# Altium PCB RPI_HAT_AMP_TAS5756_02.PcbDoc (continued)
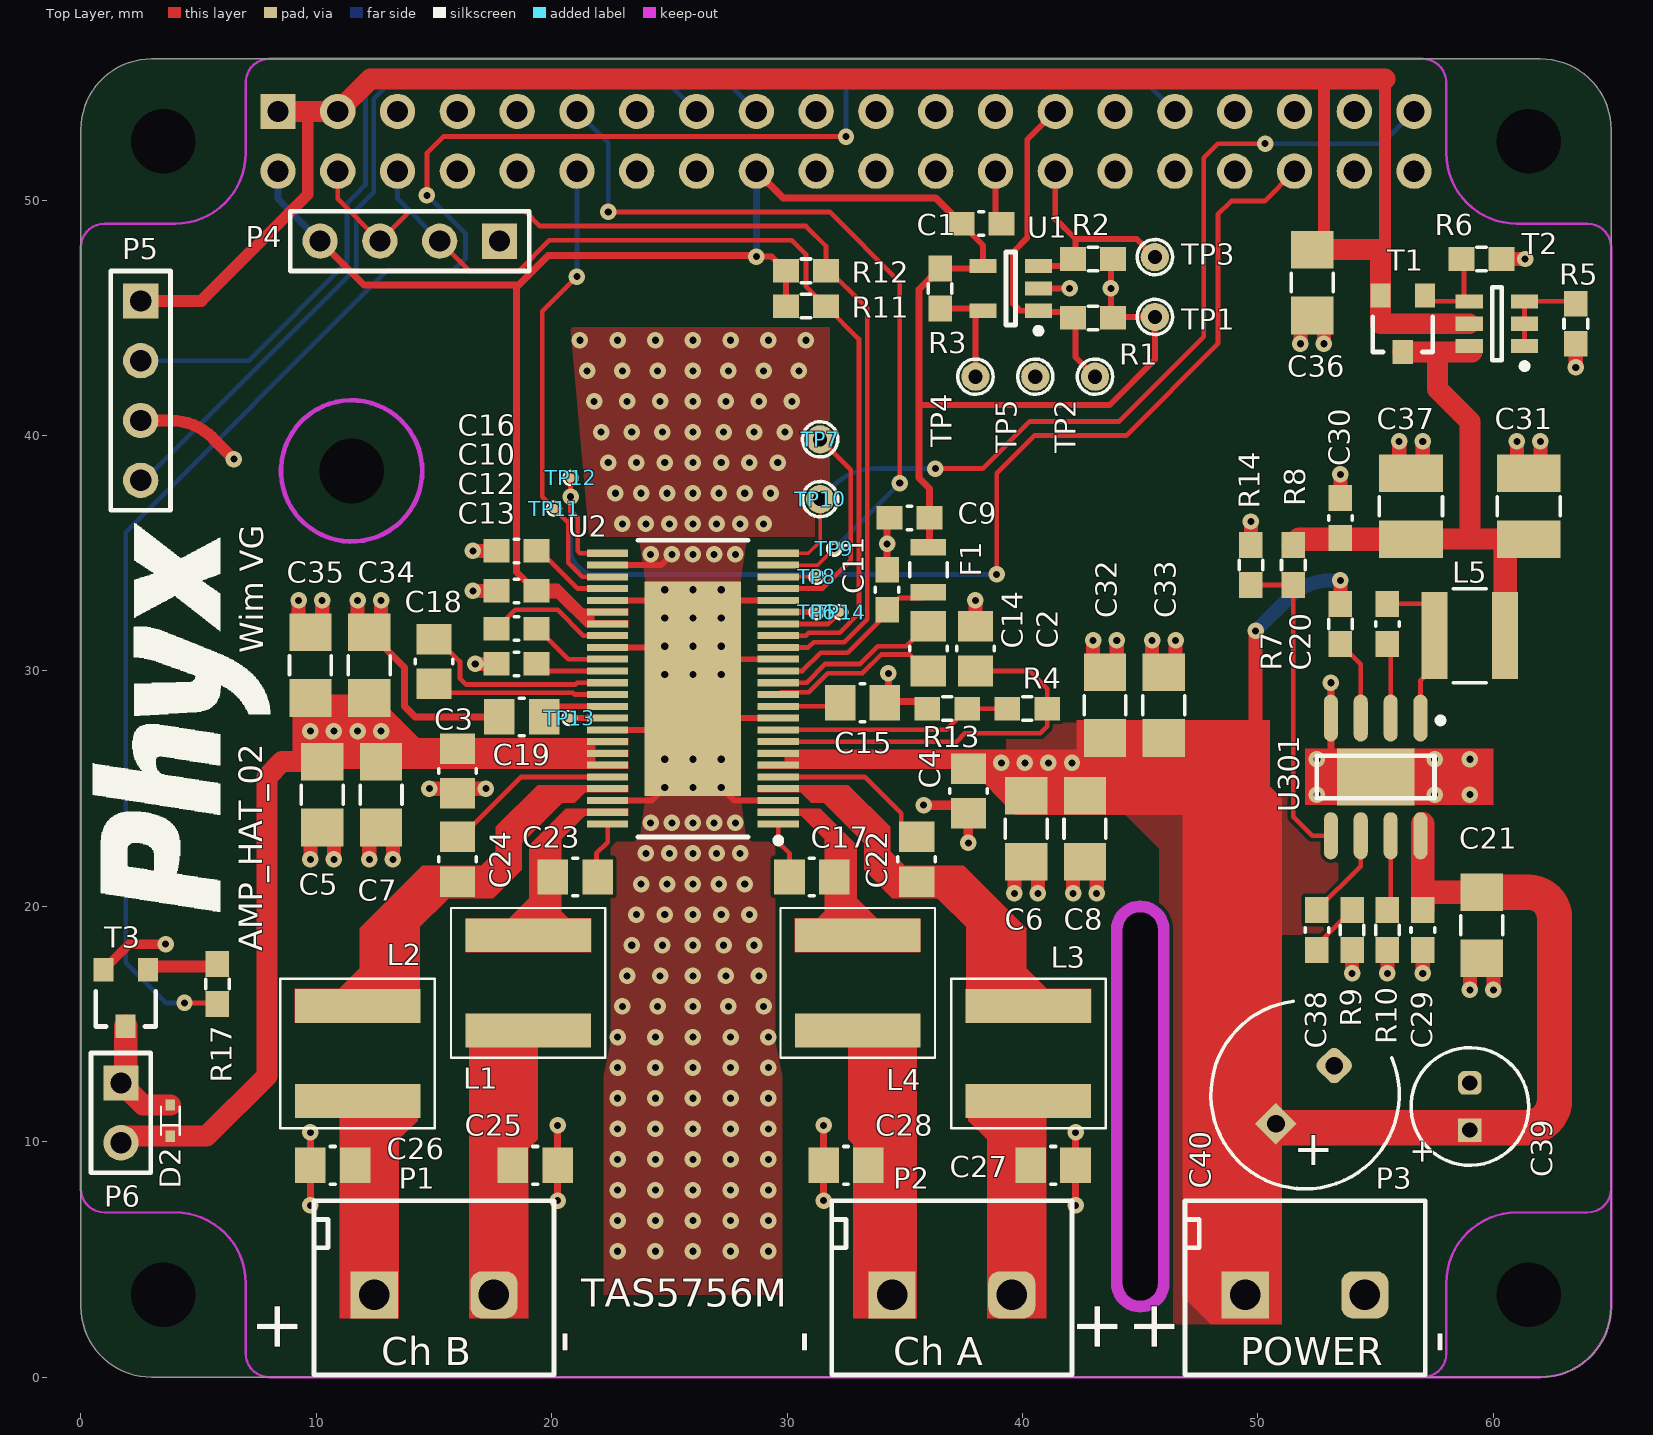
[diagram p0: Top Layer view]
## Footprints (in the part's own frame and the unit in brackets; to place one, negate y for a bottom-side part, rotate by r counter-clockwise, add the part's x,y. Pads: shape width x height; smd on the part's side, far side on the other; paste and mask are expansions set on the pad) (continued)
  silkscreen extent -1.3,-1.55 0.2,1.92, body extent -1.5,-1.55 1.5,1.55, height 1.4
TERM_BLK-0508-2-90 [mm] "5.08 mm pitch Terminal Block 2 way"
  rect 2x2 hole 1.3: 1(-2.54,0)
  rrect50% 2x2 hole 1.3: 2(2.54,0)
  silkscreen extent -5.1,-3.4 5.1,4, body extent -5.68,-3.4 5.68,4.1, height 9.95
TI-DCA-R-PDSO-G48 [mm] "HTSSOP, 48-Leads, Body 12,6x6,2mm (max), Pitch 0,50mm, IPC Medium Density, Thermal pad"
  rect 1.75x0.3 smd mask+0: 1(-3.625,5.75) 2(-3.625,5.25) 3(-3.625,4.75) 4(-3.625,4.25) 5(-3.625,3.75) 6(-3.625,3.25) 7(-3.625,2.75) 8(-3.625,2.25) 9(-3.625,1.75) 10(-3.625,1.25) 11(-3.625,0.75) 12(-3.625,0.25) 13(-3.625,-0.25) 14(-3.625,-0.75) 15(-3.625,-1.25) 16(-3.625,-1.75) 17(-3.625,-2.25) 18(-3.625,-2.75) 19(-3.625,-3.25) 20(-3.625,-3.75) 21(-3.625,-4.25) 22(-3.625,-4.75) 23(-3.625,-5.25) 24(-3.625,-5.75) 25(3.625,-5.75) 26(3.625,-5.25) 27(3.625,-4.75) 28(3.625,-4.25) 29(3.625,-3.75) 30(3.625,-3.25) 31(3.625,-2.75) 32(3.625,-2.25) 33(3.625,-1.75) 34(3.625,-1.25) 35(3.625,-0.75) 36(3.625,-0.25) 37(3.625,0.25) 38(3.625,0.75) 39(3.625,1.25) 40(3.625,1.75) 41(3.625,2.25) 42(3.625,2.75) 43(3.625,3.25) 44(3.625,3.75) 45(3.625,4.25) 46(3.625,4.75) 47(3.625,5.25) 48(3.625,5.75)
  rect 4.1x9.1 smd: 49(0,0)
  silkscreen extent -3.75,-6.3 2.35,6.57, body extent -4.05,-6.25 4.05,6.25, height 1.1
TP_0.4MM [mm] "0.4mm pad"
  round 0.4 smd mask+0.05: 1(0,0)
  silkscreen extent -0.3,-0.3 0.3,0.3
TP_0.4mm [mm] "0.4mm pad"
  round 0.4 smd mask+0.05: 1(0,0)
  silkscreen extent -0.3,-0.3 0.3,0.3
TP_1.2mm_0.6mm [mm] "1.2mm pad, 0.6mm hole"
  round 1.2 hole 0.6 mask+0.05: 1(0,0)
  silkscreen extent -0.75,-0.75 0.75,0.75
XAL6060-472 [mm] "Coilcraft XAL6060-472"
  rect 1.43x5.33 smd: 1(-2.02,0) 2(2.02,0)
  silkscreen extent -3.18,-3.28 3.18,3.28, body extent -3.28,-3.38 3.28,3.38, height 6.1

## Part data
C1: library part "CAP # 100nF 16V 0603", "Capacitor Ceramic"
C2: library part "CAP # 1uF 25V 0805", "Capacitor Ceramic", Supplier Part Number 1=2395779, Supplier 1=Farnell
C3 C4: library part "CAP # 100nF 50V 0805", "Capacitor Ceramic", Supplier Part Number 1=1759265, Supplier 1=Farnell
C5 C6 C7 C8 C32 C33 C34 C35 C36: library part "CAP # 22uF 35V 1206 X5R", "Capacitor Ceramic", Supplier Part Number 1=445-8045-1-ND, Supplier 1=Digikey
C9 C10 C11 C12 C13 C16: library part "CAP # 1uF 16V 0603", "Capacitor Ceramic", Supplier Part Number 1=2320814, Supplier 1=Farnell
C14 C15 C18 C19: library part "CAP # 2u2F 25V 0805", "Capacitor Ceramic", Supplier Part Number 1=2320829, Supplier 1=Farnell
C17 C22 C23 C24: library part "CAP # 220nF 50V 0805", "Capacitor Ceramic", Supplier Part Number 1=2320842, Supplier 1=Farnell
C20 C29 C30: library part "CAP # 100nF 50V 0603", "Capacitor Ceramic", Supplier Part Number 1=1759122, Supplier 1=Farnell
C21: library part "CAP # 10uF 35V 1206 X5R", "Capacitor Ceramic", Supplier Part Number 1=1797011, Supplier 1=Farnell
C25 C26 C27 C28: library part "CAP # 680nF 50V 0805", "Capacitor Ceramic", Supplier Part Number 1=2210987, Supplier 1=Farnell
C31 C37: library part "CAP # 22uF 10V 1210 X5R", "Capacitor Ceramic"
C38: library part "CAP # 2n7F 25V 0603", "Capacitor Ceramic"
C39: library part "CAP 10uF 63V 5x11mm", "Capacitor electrolyt", Supplier Part Number 1=2079130, Supplier 1=Farnell
C40: library part "CAP 100uF 50V 8x11mm", "Capacitor electrolyt", Supplier Part Number 1=9693793, Supplier 1=Farnell
D2: library part "Schottky NSR0240V2T1G", "=Description", Supplier Part Number 1=2317403, Supplier 1=Farnell
F1: library part "FER # 120R 0.8A 0805 0R12", Supplier Part Number 1=1669728, Supplier 1=Farnell
L1 L2 L3 L4: library part "IND # 4u7H 11A", Supplier Part Number 1=2289085, Supplier 1=Farnell
L5: library part "IND # 6u8H SWPA4020", Supplier 1=China, Supplier Part Number 1=SWPA4020S6R8MT
P1 P2 P3: library part "Terminal Block 5,08mm 2way", Supplier 1=Farnell
P4 P5: library part "Pin Header 2.54mm 4way"
P6: library part "Pin Header 2.54mm 2way"
Pi: library part "Receptable 2.54mm dual row 40way", "=Description"
R1 R2 R11 R12: library part "RES # 3K9 0603"
R3: library part "RES # 1K 0603"
R4: library part "RES # 150K 0603"
R5: library part "RES # 10K 0603"
R6: library part "RES # 47K 0603"
R7: library part "RES # 100K 0603"
R8: library part "RES # 62K 0603"
R9: library part "RES # 24K 0603"
R10: library part "RES # 180K 0603"
R13: library part "RES # 680K 0603"
R14: library part "RES # 11K8 0603"
R17: library part "RES # 0R 0603"
T1: library part "TSM2311CX P-Ch MOSFET 4A", "=Description", Supplier Part Number 1=1864586, Supplier 1=Farnell
T2: library part "DMMT5401-7-F matched PNP", Supplier Part Number 1=1773583, Supplier 1=Farnell
T3: library part "ZXMN2B01F N-Ch MOSFET 2.4A 4.5Vgs 30Vds", Supplier Part Number 1=1426253, Supplier 1=Farnell
TP1 TP2 TP3 TP4 TP5 TP7 TP10: library part "TP 1.2mm"
TP6 TP8 TP9 TP11 TP12 TP13 TP14: library part "TP # 0.4mm"
U1: library part "EEPROM # I2C 8Kx8b 24LC64T-I/OT", "=Description", Supplier Part Number 1=1700992, Supplier 1=Farnell
U2: library part "AMP # AUD TAS5756M", "=Description"
U301: library part "PWR # Buck RT7272A SOP8", "=Description", Supplier Part Number 1=RT7272AGSP, Supplier 1=China

## Free pads (board coordinates)
  round 1.3 hole 2.75 unplated mask+2.45: 0(3.5,3.5) 0(3.5,52.5) 0(11.5,38.5) 0(61.5,3.5) 0(61.5,52.5)
  oval 2x17 hole 2 slot 17 at 90 deg unplated: 1(45,11.5)

## Via types
v1: diameter 0.7, hole 0.3, Top Layer to Bottom Layer, tented top, 227 vias
v2: diameter 0.7, hole 0.3, Top Layer to Bottom Layer, tented both sides, 2 vias

## Nets (pads, with @x,y where several pads share a name; then routed paths per layer and width w, separated by ;. In a path a pad name is that pad's centre, name@x,y a point inside that pad or via, vN(x,y) a via of type N, cw(c..) or ccw(c..) an arc to the next point about the centre after c; other vN are vias at no path point)
3V3: C1.1 C9.1 C10.1 F1.1 P4.4 Pi.2 Pi.18 R1.1 R2.1 R3.1 R11.1 R12.1 TP1.1 U1.4 U2.30 U2.31 | length 86.9
  Top Layer w0.25: v1(28.69,47.6) 29.35,47.6 R12.1 R11.1 ; 35.6,41.3 43.7,41.3 45.62,43.22 TP1.1 43.89,45.04 R1.1 ; R3.1@36.5,47 36.6,47.1 38.225,47.1 U1.4 38.325,48.075 C1.1@37.5,48.9 ; R1.1@43.75,45 v2(43.75,46.25) R2.1@43.75,47.5
  Top Layer w0.3: P4.4 12.02,46.4 18.6,46.4 ; C10.1@19.75,33.4 19.3,33.4 18.5,34.2 18.5,35.724 18.5,46.3 18.6,46.4 ; v1(28.69,47.6) 28.64,47.65 19.85,47.65 18.6,46.4 ; Pi.18 29.82,50.1 36.3,50.1 C1.1@37.5,48.9 ; F1.1@36.05,35.25 36.05,37.75 35.6,38.2 35.6,41.3 35.6,46.2 R3.1@36.4,47
  Bottom Layer w0.3: Pi.2 8.37,50.05 P4.4 ; v1(28.69,47.6) Pi.18
3V3A: C11.1 F1.2 U2.14 | length 7.9
  Top Layer w0.2: U2.14 30.65,30 31.425,30.775 32.575,30.775 34.25,32.45 C11.1 34.75,33.1 35.75,33.1 F1.2
5V: C30.1 C31.1 C37.1 L5.2 R8.1 T1.3 T2.6 | length 26.7
  Top Layer w0.5: C31.1@60.5,35.6 C31.1
  Top Layer w0.89: T1.3 57.625,43.55 ; C37.1 59,35.6 ; T2.6@59.1,43.55 57.625,43.55 ; C31.1 59,35.6 ; 57.625,43.55 57.625,41.975 59,40.6 59,35.6
  Top Layer w1: R8.1 51.75,35.6 C37.1 ; L5.2 C31.1@60.5,35.6
5V_PI: C36.1 P5.1 Pi.1 Pi.3 T1.2 T2.5 | length 84.4
  Top Layer w0.5: P5.1 5.12,45.72 9.64,50.24 9.64,53.77 ; C36.1@52.8,47.9 52.8,55.04 ; 55.2,47.8 55.4,48 55.4,55.055
  Top Layer w0.89: Pi.1 9.64,53.77 Pi.3 12.295,55.155 55.4,55.155 ; C36.1 55.2,47.9 55.2,44.75 T2.5
AMP_DOUT: TP7.1 U2.21 | length 9.3
  Top Layer w0.2: U2.21 31.5,33.5 32.7,34.7 32.7,38.54 TP7.1
AMP_GPIO0: TP14.1 U2.18 | length 2.8
  Top Layer w0.2: U2.18 31.75,32 TP14.1
AMP_GPIO1: TP6.1 U2.19 | length 1.6
  Top Layer w0.25: U2.19 TP6.1
GND: C1.2 C2.2 C3.2 C4.2 C5.2 C6.2 C7.2 C8.2 C9.2 C10.2 C11.2 C13.2 C15.1 C16.2 C19.1 C21.2 C25.1 C26.1 C27.1 C28.1 C29.2 C30.2 C31.2 C32.2 C33.2 C34.2 C35.2 C36.2 C37.2 C39.2 C40.2 P3.2 P4.1 P5.3 Pi.5 Pi.10 Pi.13 Pi.19 Pi.26 Pi.29 Pi.33 Pi.40 R5.2 R6.2 R9.2 R10.2 R13.1 R14.2 T3.2 TP5.1 U1.2 U2.3 U2.10 U2.15 U2.20 U2.26 U2.29 U2.33 U2.40 U2.46 U2.49 U301.4 U301.9 | length 102.7
  Top Layer w0.25: U2.46 24.25,24.5 v1(24.8,25.05) ; U2.40 24.75,27.5 U2.49@24.8,27.45 ; U2.33 24.75,31 v1(24.8,31.05) ; U2.29 24.35,33 v1(24.8,33.45) ; U2.26 24.65,34.5 v1(25.1,34.95) ; v1(27.2,25.05) 27.75,24.5 U2.3 ; U2.49@27.2,27.45 27.75,28 U2.10 ; v1(27.2,29.85) 27.85,30.5 U2.15 ; v1(27.2,33.45) 27.65,33 U2.20 ; U1.2 v2(42,46.25)
  Top Layer w0.254: Pi.26 38.85,49.15 C1.2@39,49
  Top Layer w0.3: v1(9.75,7.3) C26.1 v1(9.75,10.4) ; C34.2 13.75,30.15 13.75,28.5 14.2,28.05 C19.1 ; v1(20.25,7.5) C25.1 v1(20.25,10.7) ; v1(31.55,7.5) C28.1 v1(31.55,10.7) ; C11.2 v1(34.25,35.4) 34.25,36.4 C9.2 ; v1(34.3,29.9) 34.3,28.8 34.2,28.7 35.65,28.7 R13.1 ; v1(42.25,7.3) C27.1 v1(42.25,10.4) ; v1(53.095,29.5) U301.4 53.095,25.5 U301.9
  Top Layer w0.4: T3.2 2.05,18.4 v1(3.6,18.4) ; C13.2@17.75,30.3 C13.2@17.85,30.2 ; v1(35.8,24.3) C4.2@37,24.3 ; C4.2@37.5,24.3 37.7,24.1 v1(37.7,22.7)
  Top Layer w0.5: P5.3 3.808,40.64 cw(c3.808,38.1) 5.604,39.896 v1(6.5,39)
  Top Layer w0.6: C35.2@9.25,32.2 v1(9.25,33) ; v1(9.75,22) C5.2@9.75,22.8 ; C35.2@10.25,32.2 v1(10.25,33) ; v1(10.75,22) C5.2@10.75,22.8 ; C34.2@11.75,32.2 v1(11.75,33) ; v1(12.25,22) C7.2@12.25,22.8 ; C34.2@12.75,32.2 v1(12.75,33) ; v1(13.25,22) C7.2@13.25,22.8 ; v1(14.8,25) 15.8,25 C3.2 16.2,25 v1(17.2,25) ; v1(16.65,33.4) C10.2 ; v1(16.65,35.1) C16.2 ; v1(16.75,30.3) C13.2@17.75,30.3 ; C2.2 v1(38,33) ; v1(39.65,20.55) C6.2@39.65,21.35 ; v1(40.65,20.55) C6.2@40.65,21.35 ; v1(42.15,20.55) C8.2@42.15,21.35 ; C32.2@43,30.5 v1(43,31.3) ; v1(43.15,20.55) C8.2@43.15,21.35 ; C32.2@44,30.5 v1(44,31.3) ; C33.2@45.5,30.5 v1(45.5,31.3) ; C33.2@46.5,30.5 v1(46.5,31.3) ; R14.2 v1(49.7,36.35) ; v1(51.8,43.9) C36.2@51.8,44.7 ; v1(52.8,43.9) C36.2@52.8,44.7 ; C30.2 v1(53.5,38.35) ; v1(54,17.15) R9.2 ; v1(55.5,17.15) R10.2 ; C37.2@56,38.95 v1(56,39.75) ; v1(57,17.15) C29.2 ; C37.2@57,38.95 v1(57,39.75) ; v1(59,16.45) C21.2@59,17.25 ; v1(60,16.45) C21.2@60,17.25 ; R6.2 v1(61.35,47.5) ; C31.2@61,38.95 v1(61,39.75) ; C31.2@62,38.95 v1(62,39.75) ; v1(63.5,42.9) R5.2
  other v1: 22.8,5.35 24.4,5.35 26,5.35 27.6,5.35 29.2,5.35 22.8,6.65 24.4,6.65 26,6.65 27.6,6.65 29.2,6.65 22.8,7.95 24.4,7.95 26,7.95 27.6,7.95 29.2,7.95 22.8,9.25 24.4,9.25 26,9.25 27.6,9.25 29.2,9.25 22.8,10.55 24.4,10.55 26,10.55 27.6,10.55 29.2,10.55 22.8,11.85 24.4,11.85 26,11.85 27.6,11.85 29.2,11.85 22.8,13.15 24.4,13.15 26,13.15 27.6,13.15 29.2,13.15 22.8,14.45 24.4,14.45 26,14.45 27.6,14.45 29.2,14.45 23,15.75 24.5,15.75 26,15.75 27.5,15.75 29,15.75 23.2,17.05 24.6,17.05 26,17.05 27.4,17.05 28.8,17.05 23.4,18.35 24.7,18.35 26,18.35 27.3,18.35 28.6,18.35 23.6,19.65 24.8,19.65 26,19.65 27.2,19.65 28.4,19.65 23.8,20.95 24.9,20.95 26,20.95 27.1,20.95 28.2,20.95 24,22.25 25,22.25 26,22.25 27,22.25 28,22.25 24.2,23.55 25.1,23.55 26,23.55 26.9,23.55 27.8,23.55 52.5,24.75 57.5,24.75 59,24.75 26,25.05 24.8,26.25 26,26.25 27.2,26.25 52.5,26.25 57.5,26.25 59,26.25 24.8,29.85 26,29.85 26,31.05 27.2,31.05 24.8,32.25 26,32.25 27.2,32.25 26,33.45 24.2,34.95 26,34.95 26.9,34.95 27.8,34.95 23,36.25 24,36.25 25,36.25 26,36.25 27,36.25 28,36.25 29,36.25 22.7,37.55 23.8,37.55 24.9,37.55 26,37.55 27.1,37.55 28.2,37.55 29.3,37.55 22.4,38.85 23.6,38.85 24.8,38.85 26,38.85 27.2,38.85 28.4,38.85 29.6,38.85 22.1,40.15 23.4,40.15 24.7,40.15 26,40.15 27.3,40.15 28.6,40.15 29.9,40.15 21.8,41.45 23.2,41.45 24.6,41.45 26,41.45 27.4,41.45 28.8,41.45 30.2,41.45 21.5,42.75 23,42.75 24.5,42.75 26,42.75 27.5,42.75 29,42.75 30.5,42.75 21.2,44.05 22.8,44.05 24.4,44.05 26,44.05 27.6,44.05 29.2,44.05 30.8,44.05
GPIO4: Pi.8
GPIO5: Pi.30
GPIO6: Pi.32
GPIO7: Pi.25
GPIO8: Pi.23
GPIO9: Pi.22
GPIO10: Pi.20
GPIO11: Pi.24
GPIO12: Pi.31 R17.2 | length 82.4
  Top Layer w0.2: v1(4.4,15.9) 5.75,15.9 R17.2@5.8,15.95 ; v1(14.7,50.2) 14.7,52 15.4,52.7 v1(32.5,52.7)
  Bottom Layer w0.2: v1(4.4,15.9) 3.6,15.9 1.9,17.6 1.9,35.9 13,47 15.805,47 16.34,47.535 16.34,48.574 14.714,50.2 v1(14.7,50.2) ; v1(32.5,52.7) 32.5,54.84 32.96,55.3 44.94,55.3 Pi.31
GPIO13: Pi.34
GPIO14: Pi.7
GPIO15: Pi.9
GPIO16: Pi.35
GPIO20: Pi.37
GPIO22: Pi.16
GPIO23: P5.4 Pi.15 | length 34.9
  Bottom Layer w0.2: P5.4 2.7,38.1 11.7,47.1 11.7,49.6 12.44,50.34 12.44,54.305 13.085,54.95 24.97,54.95 Pi.15
GPIO24: P5.2 Pi.17 | length 35.5
  Bottom Layer w0.2: P5.2 7.125,43.18 11.3,47.355 11.3,49.855 11.69,50.245 11.69,50.25 12.086,50.646 12.086,54.446 12.94,55.3 27.16,55.3 Pi.17
GPIO25: Pi.21
GPIO26: Pi.38
GPIO27: Pi.14
ID_SC: Pi.27 R1.2 TP2.1 U1.1 | length 14.6
  Top Layer w0.25: U1.1 39.9,45.3 39.6,45.6 39.6,47.8 40.2,48.4 40.2,52.58 Pi.27 ; U1.1@40.725,45.25 R1.2@42.25,45.25
  Top Layer w0.254: U1.1 U1.1@40.725,45.25 ; R1.2@42.25,45 42.25,43.33 TP2.1
ID_SD: Pi.28 R2.2 TP3.1 U1.3 | length 9.7
  Top Layer w0.25: U1.3 42.25,47.2 42.25,47.5 42.25,48.35 ; Pi.28 41.39,49.21 42.25,48.35 ; TP3.1 44.85,48.35 42.25,48.35
ID_WP: R3.2 TP4.1 U1.5 | length 5
  Top Layer w0.25: R3.2@36.5,45.5 36.6,45.4 38.225,45.4 U1.5 38,45.3 TP4.1
MCLK: TP8.1 U2.22 | length 1.6
  Top Layer w0.15: U2.22 TP8.1
NetC2_1: C2.1 R4.2 U2.8 | length 16.7
  Top Layer w0.2: U2.8 37.2,27 37.55,27.35 40.75,27.35 41.05,27.65 R4.2 41.05,29.25 40.3,30 C2.1
NetC12_1: C12.1 U2.32 | length 5.6
  Top Layer w0.2: C12.1 18.45,32.6 20.246,32.6 21.346,31.5 U2.32 ; C12.1@18.05,31.6 C12.1@18.05,31.65
NetC12_2: C12.2 U2.34 | length 3.4
  Top Layer w0.2: C12.2@19.75,31.8 19.75,31.45 20.7,30.5 U2.34
NetC13_1: C13.1 U2.35 | length 2.9
  Top Layer w0.2: C13.1@19.75,30.25 19.75,30 U2.35
NetC14_1: C14.1 U2.13 | length 7.4
  Top Layer w0.2: U2.13 30.825,29.5 31.625,30.3 33.1,30.3 33.85,31.05 35.05,31.05 35.9,31.9 C14.1
NetC14_2: C14.2 U2.12 | length 7.4
  Top Layer w0.2: U2.12 29.725,29.1 30.92,29.1 31.72,29.9 33.2,29.9 34,30.7 35.2,30.7 35.9,30 C14.2
NetC15_2: C15.2 U2.11 | length 2.7
  Top Layer w0.2: U2.11 32.1,28.5 C15.2
NetC16_1: C16.1 U2.28 | length 3.7
  Top Layer w0.2: C16.1 19.5,35.1 21.1,33.5 U2.28
NetC17_1: C17.1 L4.1 U2.2
NetC17_2: C17.2 U2.1 | length 2.4
  Top Layer w0.2: U2.1 29.625,22.725 30.1,22.25 C17.2
NetC18_1: C18.1 U2.36 | length 8.6
  Top Layer w0.2: C18.1 15.15,31.35 16.1,30.4 16.1,29.7 16.375,29.425 21,29.425 21.075,29.5 U2.36
NetC18_2: C18.2 U2.37 | length 7.6
  Top Layer w0.2: C18.2 15.375,29.075 20.9,29.075 20.975,29 U2.37
NetC19_2: C19.2 U2.38 | length 3
  Top Layer w0.25: C19.2 19.675,28.3 19.875,28.5 U2.38
NetC20_1: C20.1 U301.2 | length 3.2
  Top Layer w0.2: C20.1 55.635,31.015 U301.2
NetC20_2: C20.2 L5.1 U301.1 | length 7.1
  Top Layer w0.2: C20.2 57.5,32.85 L5.1 57.5,30.2 56.905,29.605 U301.1
NetC22_1: C22.1 L3.1 U2.4
NetC22_2: C22.2 U2.5 | length 7.7
  Top Layer w0.2: U2.5 33.3,25.5 34.85,23.95 34.85,23.5 35.15,23.2 35.75,23.2 C22.2@36,22.95
NetC23_1: C23.1 L1.1 U2.47
NetC23_2: C23.2 U2.48 | length 2.4
  Top Layer w0.2: C23.2@21.9,21.25 21.9,22.25 22.375,22.725 U2.48
NetC24_1: C24.1 L2.1 U2.45
NetC24_2: C24.2 U2.44 | length 7.4
  Top Layer w0.2: C24.2 16.15,22.95 18.7,25.5 U2.44
NetC25_2: C25.2 L1.2 P1.2
NetC26_2: C26.2 L2.2 P1.1
NetC27_2: C27.2 L3.2 P2.2
NetC28_2: C28.2 L4.2 P2.1
NetC38_1: C38.1 R9.1 | length 2.3
  Top Layer w0.2: C38.1 52.5,18.35 R9.1
NetC38_2: C38.2 U301.6 | length 3.9
  Top Layer w0.2: C38.2 54.365,21.715 U301.6
NetD2_2: D2.2 P6.1 T3.3 | length 5
  Top Layer w0.89: P6.1 2.64,11.56 D2.2
  Top Layer w1: P6.1 1.9,12.7 T3.3
NetR4_1: R4.1 R13.2 U2.9 | length 10.1
  Top Layer w0.2: U2.9 36.75,27.5 R13.2 R4.1
NetR5_1: R5.1 T2.1 T2.2 T2.3 | length 4.1
  Top Layer w0.2: T2.1 T2.2 T2.3 R5.1@63.5,45.7
NetR6_1: R6.1 T1.1 T2.4 | length 4
  Top Layer w0.2: T1.1 57.35,45.7 T2.4 58.8,45.7 58.75,45.75 R6.1@58.75,47.5
NetR7_1: R7.1 U301.3 | length 3.5
  Top Layer w0.2: R7.1 54.365,30.285 U301.3
NetR8_2: R8.2 R14.1 U301.5 | length 13.6
  Top Layer w0.2: R14.1 R8.2 51.5,23.8 52.3,23 U301.5
NetR10_1: R10.1 U301.7 | length 3.2
  Top Layer w0.2: R10.1 55.635,19.985 U301.7
NetR17_1: R17.1 T3.1 | length 3
  Top Layer w0.5: T3.1 3,17.45 4.4,17.45 R17.1@5.8,17.45
PCM_CLK: Pi.11 TP9.1 U2.23 | length 33.6
  Top Layer w0.15: U2.23 31.3,34.5 v1(32,35.2)
  Top Layer w0.2: v1(22.4,49.5) 31.8,49.5 34.784,46.516 v1(34.784,37.984)
  Bottom Layer w0.2: Pi.11 22.4,52.44 v1(22.4,49.5) ; v1(32,35.2) v1(34.784,37.984)
PCM_DOUT: Pi.39 TP10.1 U2.24 | length 40.2
  Top Layer w0.15: U2.24 30.9,35 31.4,35.5 TP10.1
  Top Layer w0.2: v1(36.3,38.6) 38.3,38.6 40.3,40.6 44.1,40.6 47.7,44.2 47.7,51.8 48.3,52.4 v1(50.3,52.4)
  Bottom Layer w0.2: TP10.1 31.956,37.856 cw(c33.752,36.06) 33.752,38.6 v1(36.3,38.6) ; v1(50.3,52.4) 55.26,52.4 Pi.39
PCM_FS: Pi.36 TP12.1 U2.25 | length 51
  Top Layer w0.2: TP12.1 v1(20.8,37.4) 20.8,36.8 21.1,36.5 21.1,35.1 21.2,35 U2.25 ; v1(38.9,34.1) 38.9,38.4 40.5,40 44.4,40 48.3,43.9 48.3,49.4 48.86,49.96 50.28,49.96 Pi.36
  Bottom Layer w0.2: v1(20.8,37.4) 20.8,35.2 ccw(c21.9,35.2) 21.9,34.1 v1(38.9,34.1)
PVDD: C3.1 C4.1 C5.1 C6.1 C7.1 C8.1 C21.1 C29.1 C32.1 C33.1 C34.1 C35.1 C39.1 C40.1 D2.1 P3.1 P6.2 R7.2 U2.6 U2.7 U2.41 U2.42 U2.43 U301.8 | length 68.1
  Top Layer w0.6: 49.6,23.1 ccw(c48.876,23.824) 49.9,23.824 v1(49.9,31.7) ; R7.2 v1(53.5,33.85)
  Top Layer w0.89: P6.2 1.7,10.24 D2.1 5.34,10.24 7.9,12.8 7.9,25.5 8.55,26.15 C5.1
  Top Layer w1: C29.1 57,20.6 ; U301.8@57,23.5 57,20.6 ; C21.1 57,20.6
  Top Layer w1.5: 49.46,10.6 61.4,10.6 ccw(c61.4,11.8) 62.6,11.8 ; C21.1 61.5,20.6 cw(c61.5,19.5) 62.6,19.5 62.6,12
  Bottom Layer w0.6: v1(49.9,31.7) 51.306,33.106 cw(c53.102,31.31) 53.102,33.85 v1(53.5,33.85)
  other v1: 39.1,26.1 40.1,26.1 41.1,26.1 42.1,26.1 9.75,27.45 10.75,27.45 11.75,27.45 12.75,27.45
S\P\K\_\F\A\U\L\T\: TP13.1 U2.39 | length 1.6
  Top Layer w0.25: TP13.1 U2.39
S\P\K\_\M\U\T\E\: Pi.12 TP11.1 U2.27 | length 19.6
  Top Layer w0.2: v1(21.07,46.75) 19.6,45.28 19.6,37.4 TP11.1 20.7,36.3 20.7,34.6 21.3,34 U2.27
  Bottom Layer w0.2: v1(21.07,46.75) Pi.12
SCL: P4.2 Pi.6 R11.2 U2.17 | length 40.6
  Top Layer w0.2: P4.2 16.51,46.99 18.59,46.99 19.9,48.3 30.2,48.3 30.8,47.7 30.8,46.35 R11.2 33.05,44.1 33.05,32.45 32.225,31.625 30.925,31.625 30.8,31.5 U2.17
  Bottom Layer w0.2: Pi.6 13.45,50.05 P4.2
SDA: P4.3 Pi.4 R12.2 U2.16 | length 44.6
  Top Layer w0.2: Pi.4 10.91,50.05 P4.3 13.97,49.53 18.87,49.53 19.5,48.9 30.8,48.9 31.65,48.05 31.65,47.15 33.4,45.4 33.4,32.2 32.425,31.225 31.125,31.225 30.9,31 U2.16

## Polygon pours and split planes (outlines as drawn)
GND on Top Layer "T_GND_Cooling" (solid, remove dead copper, pour order 7): 29.8,12.8 29.8,3.5 22.2,3.5 22.2,12.8 22.5,14.25 22.5,22.5 22.75,22.75 23.5,22.75 23.75,23 24,24.7 24,33.7 28,33.7 28,24.7 28.25,23 28.5,22.75 29.25,22.75 29.5,22.5 29.5,14.25
GND on Top Layer "T_GND_Cooling" (solid, remove dead copper, pour order 8): 31.8,44.6 20.799,44.6 21.6,35.7 23.7,35.7 24,33.8 24,24.8 28,24.8 28,33.8 28.3,35.7 31.8,35.7
PVDD on Top Layer "T_PVDD" (solid, remove dead copper, pour order 6): 39.3,24.75 39.3,27.8 49.75,27.8 49.75,24.75 53.4,24.75 53.4,18.8 49.1,18.8 49.1,2.25 46.4,2.25 46.4,18.9 45.8,19.5 45.8,22.45 43.5,24.75
PVDD on Bottom Layer "B_PVDD" (solid, remove dead copper, pour order 9): 9.5,25.75 14,25.75 14.75,26.5 37.5,26.5 38.25,25.75 43.5,25.75 43.5,29.75 9.5,29.75
GND on Bottom Layer "B_GND" (solid, remove dead copper, pour order 10): 0,56 65,56 65,0 0,0 0,56

## Keep-outs
Keep-Out Layer:
  circle w0.2: c11.5,38.5 r3
  lines w0.1: 57,0 ccw(c57,1) 58,1 58,4 cw(c61,4) 61,7 64,7 ccw(c64,8) 65,8 ; 0,8 ccw(c1,8) 1,7 4,7 cw(c4,4) 7,4 7,1 ccw(c8,1) 8,0 62,0 ccw(c62,3) 65,3 65,48 ccw(c64,48) 64,49 61,49 cw(c61,52) 58,52 58,55 ccw(c57,55) 57,56 8,56 ccw(c8,55) 7,55 7,52 cw(c4,52) 4,49 1,49 ccw(c1,48) 0,48 0,8
  lines w0.5: 44,4 ccw(c45,4) 45,3 ccw(c45,4) 46,4 46,11.5 46,19 ccw(c45,19) 45,20 ccw(c45,19) 44,19 44,4 ; 44,4 44,4
  text ".Layer_Name" at 305.5,-28 h3.5

## Other copper
Top Layer:
  rectangle net GND: 52,24.3 60,26.7
  region net NetC23_1: 23.25,24.15 23.25,23.85 21.4,23.85 20.4,22.85 20.4,19.8 20.7,19.5 21.675,19.5 21.675,18.05 16.35,18.05 16.35,19.475 18.175,19.475 19.05,20.35 19.05,22.6 20.6,24.15
  region net NetC17_1: 28.75,24.15 28.75,23.85 30.6,23.85 31.6,22.85 31.6,19.8 31.3,19.5 30.325,19.5 30.325,18.05 35.65,18.05 35.65,19.475 33.825,19.475 32.95,20.35 32.95,22.6 31.4,24.15
  region net NetC24_1: 23.25,25.15 23.25,24.85 21.425,24.85 20.975,24.4 20.45,24.4 18.725,22.675 18.725,21.55 17.525,20.35 15.625,20.35 14.4,19.125 14.4,15.05 9.075,15.05 9.075,16.5 10.975,16.5 11.85,17.375 11.85,19.075 14.5,21.725 17,21.725 17.625,22.35 17.625,23.375 19.4,25.15
  region net NetC22_1: 28.75,25.15 28.75,24.85 30.575,24.85 31.025,24.4 31.55,24.4 33.275,22.675 33.275,21.55 34.475,20.35 36.375,20.35 37.6,19.125 37.6,15.05 42.925,15.05 42.925,16.5 41.025,16.5 40.15,17.375 40.15,19.075 37.5,21.725 35,21.725 34.375,22.35 34.375,23.375 32.6,25.15
  region net NetC28_2: 35.5,2.5 35.5,15.4 32.6,15.4 32.6,10.1 32.8,9.9 32.8,2.5
  region net NetC25_2: 16.5,2.5 16.5,15.4 19.4,15.4 19.4,10.1 19,9.7 19,2.5
  region net NetC26_2: 13.5,2.5 13.5,10.1 14.3,10.9 14.3,12.4 11,12.4 11,2.5
  region net NetC27_2: 38.5,2.5 38.5,10.1 37.7,10.9 37.7,12.4 41,12.4 41,2.5
  region net PVDD: 23.25,27.15 23.25,26.85 21.85,26.85 21.85,26.65 23.25,26.65 23.25,26.35 21.85,26.35 21.85,26.15 23.25,26.15 23.25,25.85 9,25.85 9,29 13,29 13,28.5 14.35,27.15
  region net 3V3: 23.25,32.65 23.25,32.35 21.8,32.35 21.8,32.15 23.25,32.15 23.25,31.85 21.45,31.85 20.2,33.1 19.2,33.1 19.2,33.7 20.3,33.7 21.35,32.65
  region net PVDD: 28.75,26.65 28.75,26.35 29.9,26.35 29.9,26.15 28.75,26.15 28.75,25.85 37.75,25.85 39.7,23.9 49.25,23.9 49.25,27.9 42.3,27.9 42.3,26.65
  region net PVDD: 48,2.25 51,2.25 51,24.6 50.5,25.1 50.5,27.9 46.8,27.9 46.8,3.45
  text ".Layer_Name" at 305.5,-28 h3.5
Bottom Layer:
  text ".Layer_Name" at 305.5,-28 h3.5

## Silkscreen, mask and mechanical layers (free items; w line width, h text height)
Top Overlay:
  drawing of 4 lines, arcs and shapes, not listed
  text "Wim VG" at 7.75,30.75 h1 r90
  text "AMP_HAT_02" at 7.7,18.1 h1 r90
  text "TAS5756M" at 21.25,3 h1.2
  text "+" at 7.5,1 h2 r270
  text "-" at 19.83,1 h2 r270
  text "-" at 30,1 h2 r270
  text "+" at 42.33,1 h2 r270
  text "+" at 44.75,1 h2 r270
  text "-" at 57,1 h2 r270
  text "Ch B" at 12.75,0.5 h1.2
  text "Ch A" at 34.5,0.5 h1.2
  text "POWER" at 49.25,0.5 h1.2
  text ".Layer_Name" at 305.5,-28 h3.5
Bottom Overlay:
  drawing of 54 lines, arcs and shapes, not listed
  text "SDA" at 49.62,46.84 h1.5
  text "5V" at 6.79,44.98 h1.5
  text "3V3" at 49.62,44.3 h1.5
  text "3V3" at 9.42,44.01 h1.5 r270
  text "SDA" at 11.96,44.01 h1.5 r270
  text "SCL" at 14.5,44.01 h1.5 r270
  text "GND" at 17.04,44.01 h1.5 r270
  text "IO24" at 6.79,42.44 h1.5
  text "GND" at 6.79,39.9 h1.5
  text "WP" at 37.26,38.5 h1.5 r270
  text "GND" at 39.8,38.5 h1.5 r270
  text "SCL" at 42.34,38.5 h1.5 r270
  text "IO23" at 6.79,37.36 h1.5
  text "PWM" at 5.95,11.76 h1.5
  text "12-28VDC" at 61.25,11 h3 r270
  text "VDD" at 5.95,9.22 h1.5
  text "ChB+" at 10.96,4.75 h2.5 r270
  text "ChB-" at 16.04,4.75 h2.5 r270
  text "ChA-" at 32.96,4.75 h2.5 r270
  text "ChA+" at 38.04,4.75 h2.5 r270
  text "VDD" at 47.96,4.75 h3 r270
  text "GND" at 53.04,4.75 h3 r270
  text "Speakers" at 31.7,2.8 h1.5
  text "4-8 Ohm" at 30.95,0.3 h1.5
  text ".Layer_Name" at 305.5,-28 h3.5
Top Paste:
  text ".Layer_Name" at 305.5,-28 h3.5
Bottom Paste:
  text ".Layer_Name" at 305.5,-28 h3.5
Top Solder:
  rectangle: 22.662,4.9 29.412,17.75
  region: 22.75,36 20.75,44.5 31.25,44.5 29.25,36
  region: 28.294,22.5 29.412,17.75 22.662,17.75 23.779,22.5
  text ".Layer_Name" at 305.5,-28 h3.5
Bottom Solder:
  text ".Layer_Name" at 305.5,-28 h3.5
Drill Guide:
  text ".Layer_Name" at 305.5,-28 h3.5
3D Symbols:
  text ".Layer_Name" at 305.5,-28 h3.5
Outline:
  the board outline again, w0.2
Comments:
  lines w0.5: 31.5,52.5 33.5,52.5 ; 32.5,51.5 32.5,53.5
  text "Center point" at 24,53.7 h1.52
  text ".Layer_Name" at 305.5,-28 h3.5
Fabrication:
  text ".Layer_Name" at 305.5,-28 h3.5
Placebound Top:
  text ".Layer_Name" at 305.5,-28 h3.5
Placebound Bottom:
  text ".Layer_Name" at 305.5,-28 h3.5
Frame:
  drawing of 15 lines, arcs and shapes, not listed
  text "Document" at 301,-13 h2
  text ".PCB_TITLE" at 302.5,-18.5 h4
  text "Layer Name" at 301,-23 h2
  text "Date" at 301,-33 h2
  text "Rev" at 341,-33 h2
  text ".Print_Date" at 304,-38.5 h3.5
  text ".PCB_REV" at 345.5,-38.5 h4
  text "Desginer" at 251,-43 h2
  text "Document" at 301,-43 h2
  text ".Pcb_File_Name_No_Path" at 302.5,-48 h1.5
  text ".PCB_ENGINEER" at 255.5,-48.5 h4
Assembly Top:
  text ".Layer_Name" at 305.5,-28 h3.5
Assembly Bottom:
  text ".Layer_Name" at 305.5,-28 h3.5
Drill Drawing:
  text ".legend" at 92.5,5.75 h2
  text ".Layer_Name" at 305.5,-28 h3.5

## Dimensions
3,56 to 0,0 on Fabrication
0,0 to 65,3 on Fabrication
0,0 to 3.5,3.5 on Drill Drawing
0,0 to 3.5,3.5 on Drill Drawing
62,53 to 67.5,57.6 on Fabrication

## Text inside footprints (layer, text, board x,y; h text height)
C39: Assembly Top "+" at 57.4,9 h1 r90; Top Overlay "+" at 57.4,9 h1 r90
C40: Assembly Top "+" at 47.404,11.081 h1.5 r45; Top Overlay "+" at 51.5,9 h1.5
P1: Comments "IN" at 14.4,1 h0.8
P2: Comments "IN" at 36.4,1 h0.8
P3: Comments "IN" at 51.4,1 h0.8